# Altium PCB 模型主控V1.PcbDoc (part 1 of 2)
Units mil, origin at the board's own origin, x right, y up, seen from the top; angles counter-clockwise.
Board outline 3317.16 x 1183.54 mil, 4 copper layers (Top Layer, Mid-Layer 1, Mid-Layer 2, Bottom Layer); 121 components, 112 nets, 459 pads, 155 vias.
Unrouted connection lines stored in the file: 38.
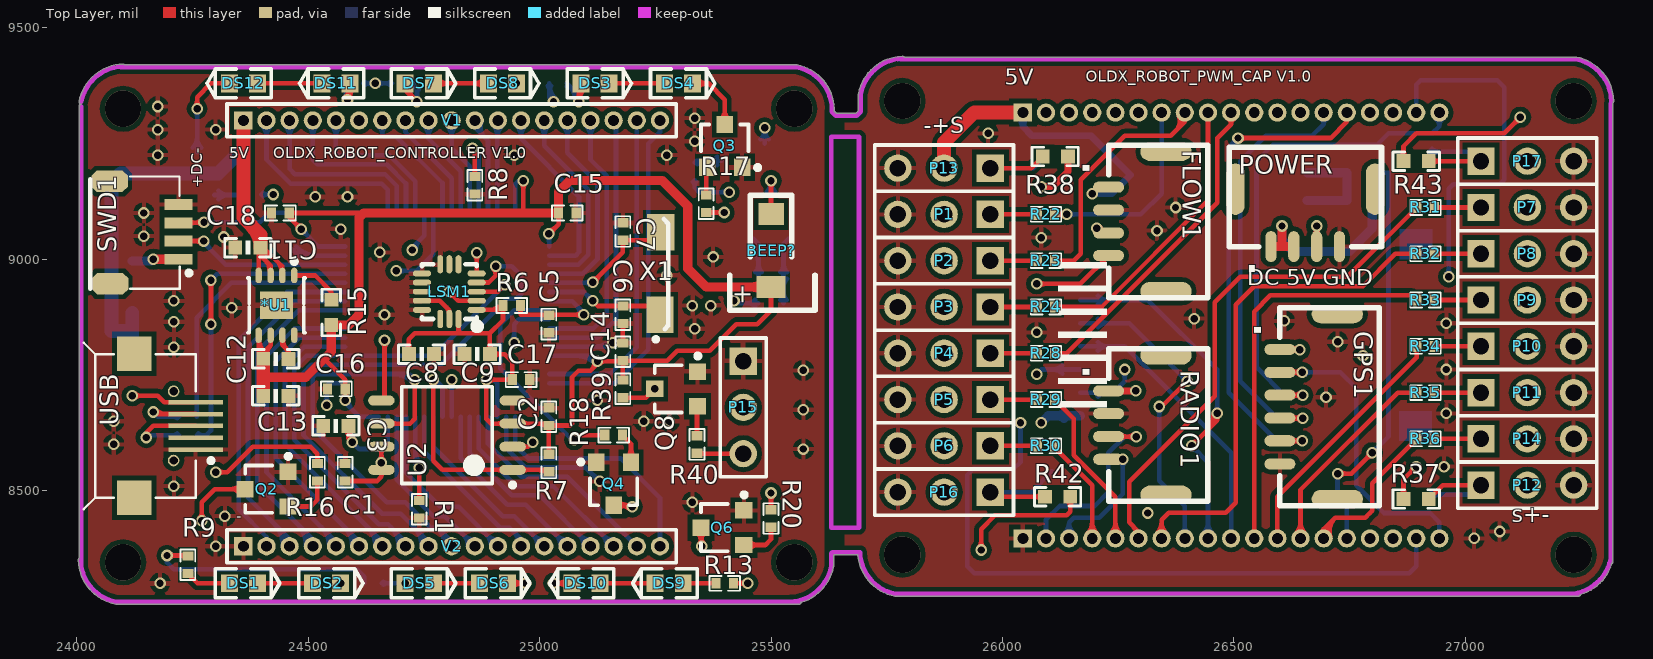
[diagram p0: Top Layer view]
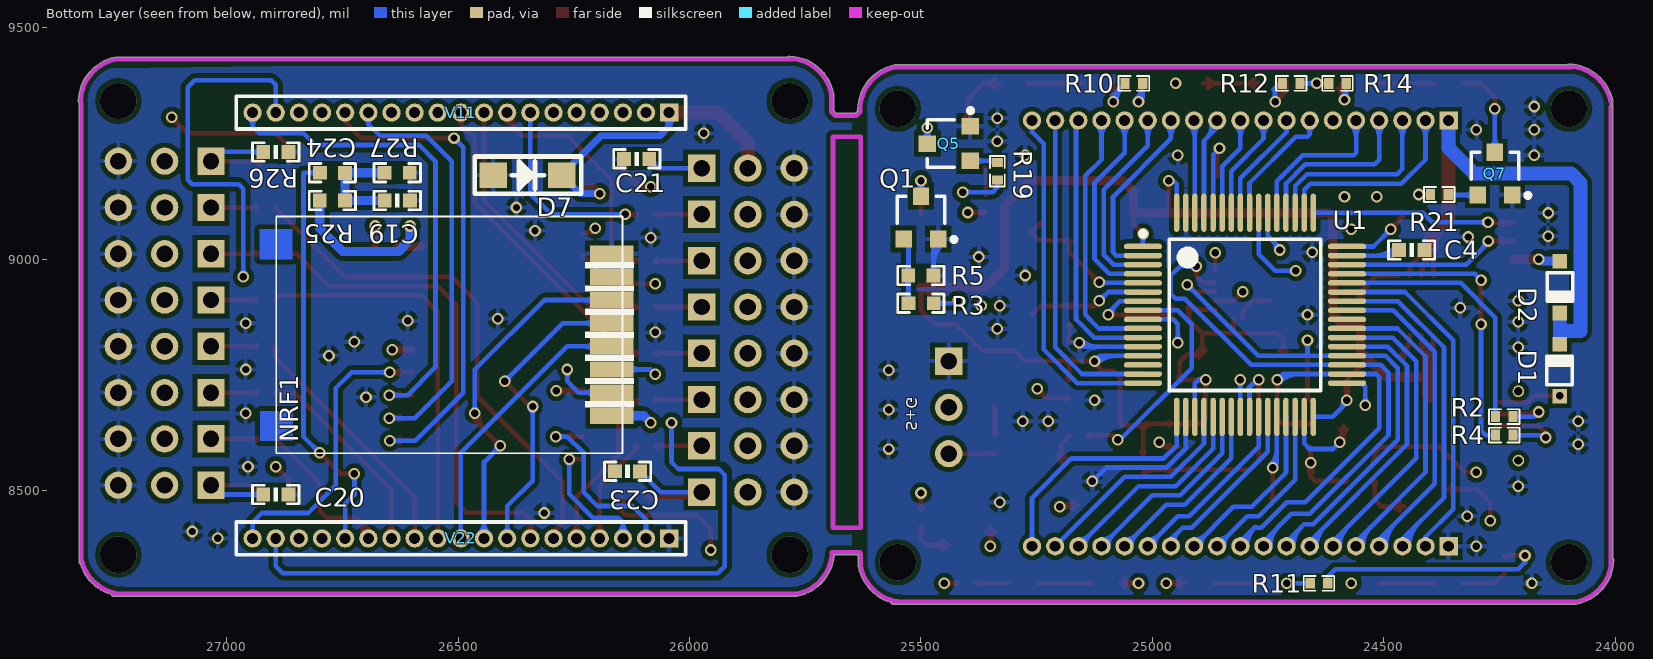
[diagram p1: Bottom Layer view, seen from below]
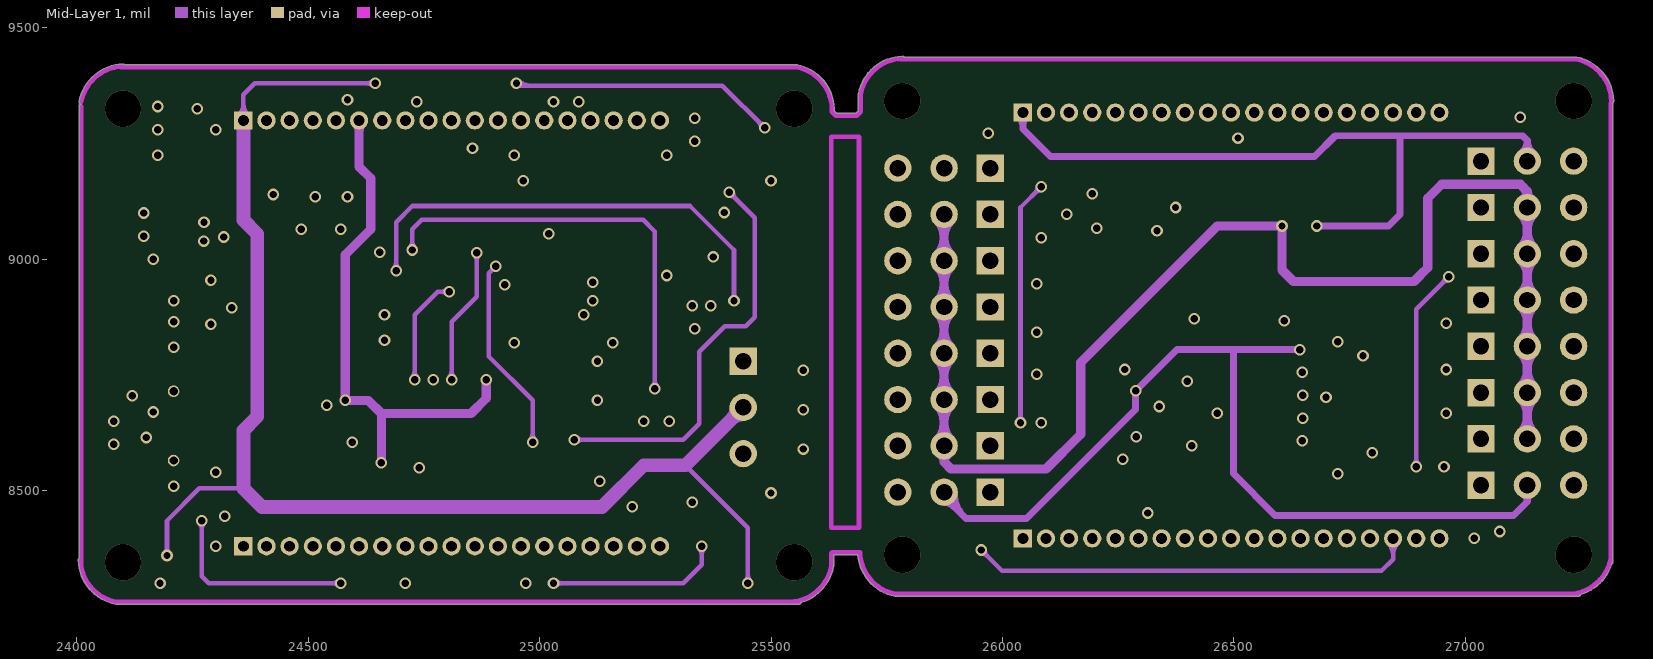
[diagram p2: Mid-Layer 1]
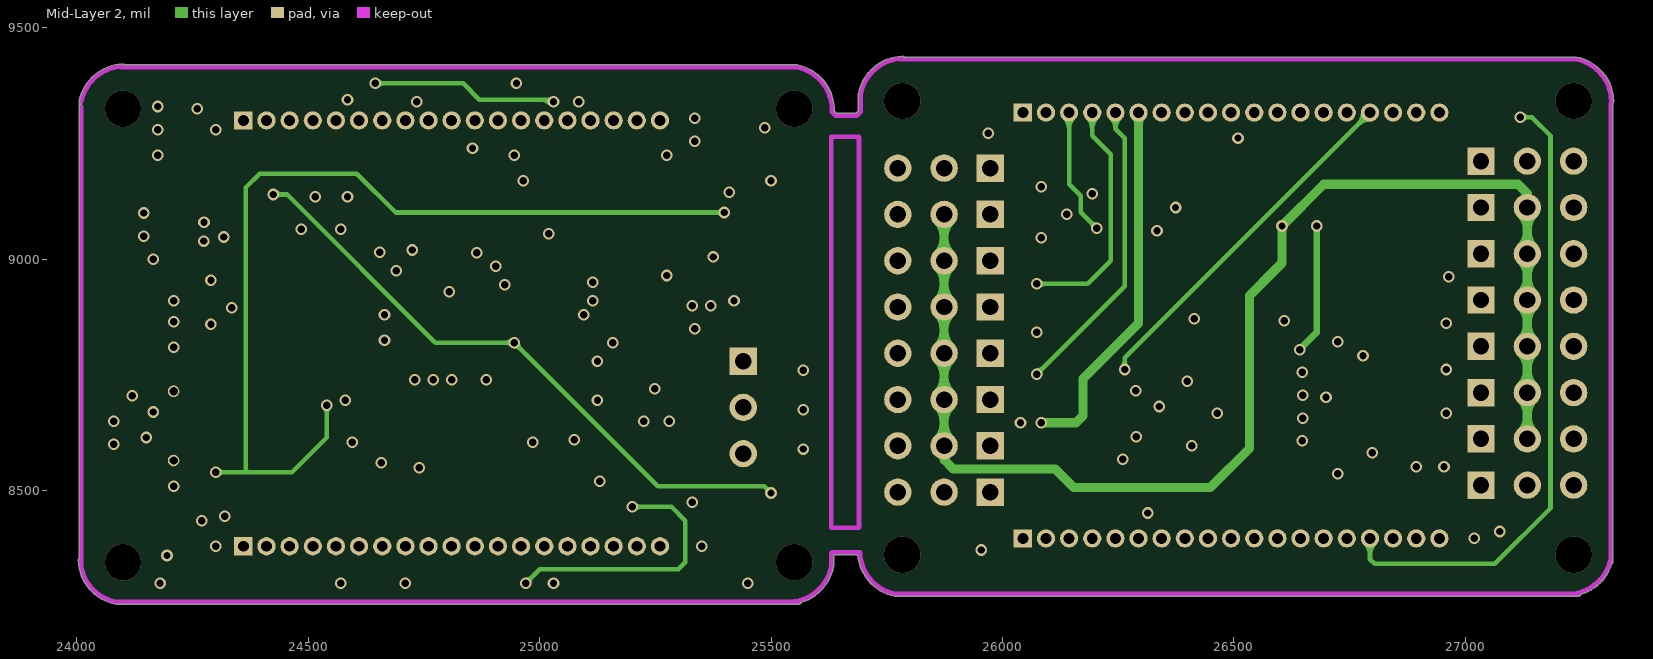
[diagram p3: Mid-Layer 2]
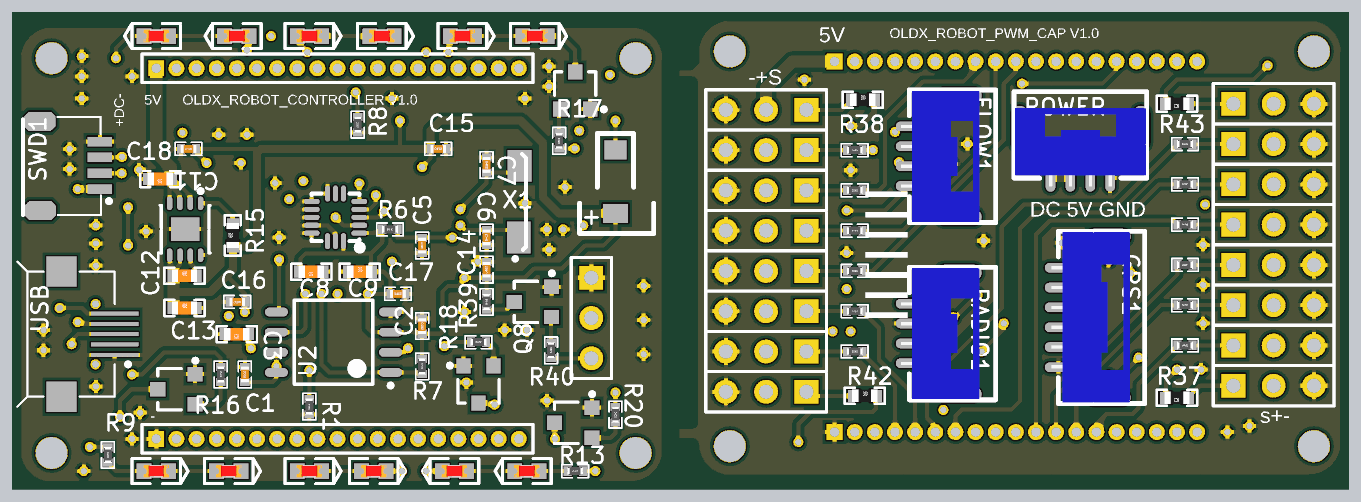
[diagram p5: 3D render of the assembled board from above, using the file's embedded part models]
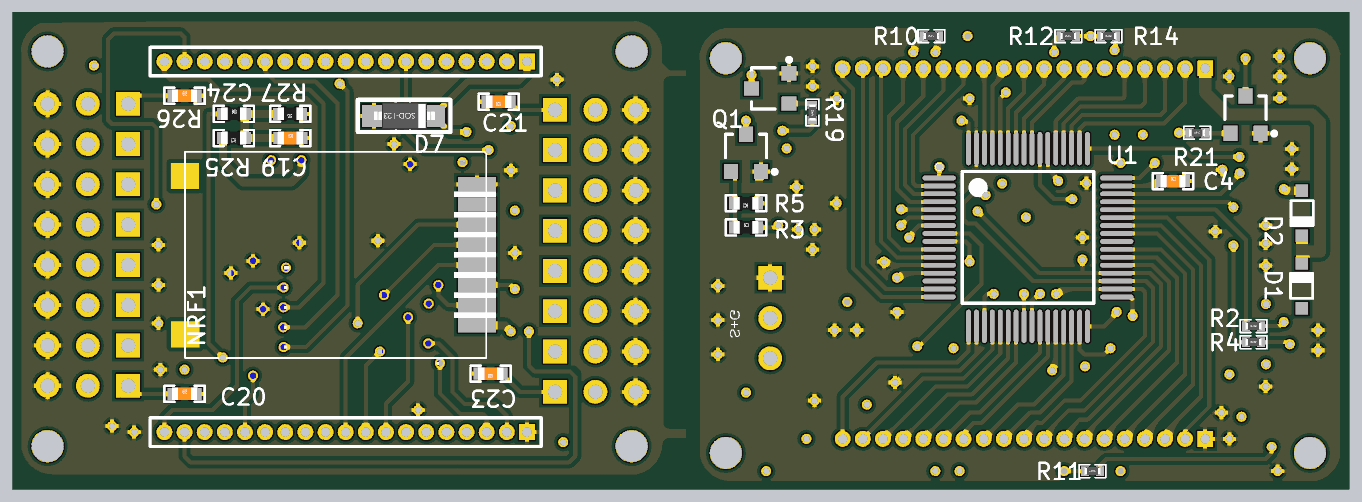
[diagram p6: 3D render of the assembled board from below, using the file's embedded part models]

## Layer stack, top to bottom
Top Layer: signal copper 1.4
Dielectric: core 12.6, FR-4, Dk 4.8
Mid-Layer 1: signal copper 1.4
Dielectric: prepreg 12.6, FR-4, Dk 4.8
Mid-Layer 2: signal copper 1.4
Dielectric: core 12.6, FR-4, Dk 4.8
Bottom Layer: signal copper 1.4

## Board outline
24084.07,8255.07 ccw(c24085,8260) 24085,8254.99 25560,8254.99 ccw(c25560,8260) 25564.87,8258.82 ccw(c25537.46,8354.11) 25634.88,8335.67 ccw(c25629.96,8336.61) 25634.97,8336.61 25634.97,8361.84 25687.55,8361.84 ccw(c25786.42,8369.4) 25767.98,8271.97 ccw(c25768.92,8276.9) 25768.92,8271.89 27243.92,8271.89 ccw(c27243.92,8276.9) 27248.79,8275.72 ccw(c27221.37,8371.01) 27316.35,8342.51 ccw(c27313.92,8346.9) 27318.93,8346.9 27318.93,9336.9 ccw(c27313.92,9336.9) 27318.78,9338.13 ccw(c27315.52,9341.94) 27320.54,9341.94 ccw(c27315.52,9341.94) 27320.54,9342.08 ccw(c27221.42,9339.4) 27239.85,9436.83 ccw(c27238.92,9431.9) 27238.92,9436.92 25787.55,9436.92 ccw(c25783.87,9433.51) 25783.74,9438.52 ccw(c25786.42,9339.4) 25688.99,9357.83 ccw(c25693.92,9356.9) 25688.9,9356.9 25688.9,9320.99 25682.92,9315.01 25642.08,9315.01 25636.62,9320.47 25636.62,9325.04 ccw(c25631.61,9325.04) 25636.62,9325.18 ccw(c25537.5,9322.5) 25555.93,9419.93 ccw(c25555,9415) 25555,9420.01 24103.64,9420.01 ccw(c24099.96,9416.61) 24099.82,9421.62 ccw(c24102.5,9322.5) 24005.07,9340.93 ccw(c24010,9340) 24009.61,9335 ccw(c24010,9330) 24004.99,9330 24004.99,8353.64 ccw(c24008.39,8349.96) 24003.38,8349.82 ccw(c24102.5,8352.5)

## Design rules (kind name [scope] priority, off if disabled: settings)
Clearance Clearance_1 [(InPolygon)] p1: gap=10
Clearance [All] p2: gap=6
PolygonConnect [All] p1: connectstyle=Relief reliefconductorwidth=10 reliefentries=4 polygonreliefangle="90 Angle"
RoutingVias [All] p1: holewidth=28 width=50 viastyle="Through Hole" minholewidth=16 minwidth=25 maxholewidth=28 maxwidth=50
SilkscreenOverComponentPads [All] p1: minsilkscreentomaskgap=10
SolderMaskExpansion [All] p1: expansion=4
Width [All] p1: maxlimit=40 minlimit=10 preferedwidth=10 minimp=50.000000 maximp=50.000000 favimp=50.000000
27 further rules are at their usual default settings.

## Components (designator, comment, footprint, x,y, rotation, side; value= is the part's Value field where it differs from the comment)
*U1 "AS1364-BTDT-33" TDFN-8 24470,8965 r90 top
BEEP? "BEEP" DET402 25500,8940 r90 top
C1 "0.1UF" "C 0402" 24580,8540 r90 top
C2 "1UF" "C 0402" 25020,8660 r270 top
C3 "2.2UF" C0603 24560,8640 r180 top
C4 "2.2UF" C0603 24440,9020 r180 bottom
C5 "10NF" "C 0402" 25020,8860 r90 top
C6 "20PF" "C 0402" 25180,8880 r90 top
C7 "20PF" "C 0402" 25180,9060 r270 top
C8 "0.1UF" C0603 24745,8795 r180 top
C9 "0.1UF" C0603 24865,8795 r0 top
C11 "4.7uf" C0603 24370,9025 r180 top
C12 "10nf" C0603 24430,8785 r0 top
C13 "4.7uf" C0603 24430,8705 r0 top
C14 "0.1UF" "C 0402" 25180,8800 r90 top
C15 "0.1UF" "C 0402" 25060,9100 r0 top
C16 "0.1UF" "C 0402" 24561,8720 r180 top
C17 "0.1UF" "C 0402" 24960,8740 r0 top
C18 "0.1UF" "C 0402" 24440,9100 r180 top
C19 "100uF" C0603 26631.42,9126.84 r180 bottom
C20 "NC" C0603 26893.92,8491.9 r180 bottom
C21 "NC" C0603 26113.92,9216.9 r0 bottom
C23 "NC" C0603 26133.92,8541.9 r0 bottom
C24 "NC" C0603 26893.92,9231.9 r180 bottom
D1 "BAT54WS" SOD-323 24120,8760 r270 bottom
D2 "BAT54WS" SOD-323 24120,8940 r90 bottom
D7 "IN4733 5.1V" 1n4148-SOD123 26413.92,9181.9 r180 bottom
DS1 "LED1" 0603_LED 24360,8300 r180 top
DS2 "LED1" 0603_LED 24540,8300 r180 top
DS3 "LED1" 0603_LED 25120,9380 r180 top
DS4 "LED1" 0603_LED 25300,9380 r180 top
DS5 "LED1" 0603_LED 24740,8300 r180 top
DS6 "LED1" 0603_LED 24900,8300 r180 top
DS7 "LED1" 0603_LED 24740,9380 r180 top
DS8 "LED1" 0603_LED 24920,9380 r180 top
DS9 "LED1" 0603_LED 25280,8300 r0 top
DS10 "LED1" 0603_LED 25100,8300 r0 top
DS11 "LED1" 0603_LED 24560,9380 r0 top
DS12 "LED1" 0603_LED 24360,9380 r0 top
FLOW1 "Header 4" JST_GH_V4 26443.92,9081.9 r270 top
GPS1 "Header 6" JST_GH_V6 26813.92,8681.9 r270 top
LSM1 "LSM6DS33" LSM6DS33 24805,8930 r180 top
NRF1 "Header 8" NRF 26193.92,8661.9 r0 bottom locked
P1 "Header 3" HDR1X3 25973.92,9096.9 r180 top
P2 "Header 3" HDR1X3 25973.92,8996.9 r180 top
P3 "Header 3" HDR1X3 25973.92,8896.9 r180 top
P4 "Header 3" HDR1X3 25973.92,8796.9 r180 top
P5 "Header 3" HDR1X3 25973.92,8696.9 r180 top
P6 "Header 3" HDR1X3 25973.92,8596.9 r180 top
P7 "Header 3" HDR1X3 27033.92,9111.9 r0 top
P8 "Header 3" HDR1X3 27033.92,9011.9 r0 top
P9 "Header 3" HDR1X3 27033.92,8911.9 r0 top
P10 "Header 3" HDR1X3 27033.92,8811.9 r0 top
P11 "Header 3" HDR1X3 27033.92,8711.9 r0 top
P12 "Header 3" HDR1X3 27033.92,8511.9 r0 top
P13 "Header 3" HDR1X3 25973.92,9196.9 r180 top
P14 "Header 3" HDR1X3 27033.92,8611.9 r0 top
P15 "Header 3" HDR1X3 25440,8780 r270 top
P16 "Header 3" HDR1X3 25973.92,8496.9 r180 top
P17 "Header 3" HDR1X3 27033.92,9211.9 r0 top
POWER "Header 4" JST_GH_V4 26653.92,9241.9 r0 top
Q1 "S8050" SOT-23R 25500,9085 r180 bottom
Q2 "S8050" SOT-23R 24415,8503.2 r90 top
Q3 "S8050" SOT-23R 25400,9240 r0 top
Q4 "S8050" SOT-23R 25160,8520 r180 top
Q5 "S8050" SOT-23R 25435,9250 r90 bottom
Q6 "S8050" SOT-23R 25400,8420 r90 top
Q7 "S8050" SOT-23R 24260,9180 r180 bottom
Q8 "S8050" SOT-23R 25300,8720 r90 top
R1 "10K" "R 0402" 24740,8460 r90 top
R2 "10R" "R 0402" 24240,8660 r180 bottom
R3 "1K" R0603 25500,8905 r180 bottom
R4 "10R" "R 0402" 24240,8620 r180 bottom
R5 "10K" R0603 25500,8965 r0 bottom
R6 "10K" "R 0402" 24940,8900 r180 top
R7 "10K" "R 0402" 25020,8560 r270 top
R8 "10K" "R 0402" 24860,9160 r90 top
R9 "100R" "R 0402" 24240,8340 r270 top
R10 "100R" "R 0402" 25040,9380 r0 bottom
R11 "100R" "R 0402" 24640,8300 r0 bottom
R12 "100R" "R 0402" 24700,9380 r0 bottom
R13 "100R" "R 0402" 25400,8300 r180 top
R14 "100R" "R 0402" 24600,9380 r180 bottom
R15 "100K" R0603 24550,8885 r90 top
R16 "1K" "R 0402" 24520,8540 r270 top
R17 "1K" "R 0402" 25360,9120 r90 top
R18 "1K" "R 0402" 25160,8620 r0 top
R19 "1K" "R 0402" 25335,9190 r90 bottom
R20 "1K" "R 0402" 25500,8440 r270 top
R21 "1K" "R 0402" 24380,9140 r180 bottom
R22 "560R" "R 0402" 26093.92,9096.9 r180 top
R23 "560R" "R 0402" 26093.92,8996.9 r180 top
R24 "560R" "R 0402" 26093.92,8896.9 r180 top
R25 "10K" R0603 26771.42,9126.84 r0 bottom
R26 "1K" R0603 26771.42,9186.84 r180 bottom
R27 "1K" R0603 26631.42,9186.84 r0 bottom
R28 "560R" "R 0402" 26093.92,8796.9 r180 top
R29 "560R" "R 0402" 26093.92,8696.9 r180 top
R30 "560R" "R 0402" 26093.92,8596.9 r180 top
R31 "560R" "R 0402" 26913.92,9111.9 r0 top
R32 "560R" "R 0402" 26913.92,9011.9 r0 top
R33 "560R" "R 0402" 26913.92,8911.9 r0 top
R34 "560R" "R 0402" 26913.92,8811.9 r0 top
R35 "560R" "R 0402" 26913.92,8711.9 r0 top
R36 "560R" "R 0402" 26913.92,8611.9 r0 top
R37 "1K" R0603 26893.92,8481.9 r180 top
R38 "1K" R0603 26113.92,9221.9 r0 top
R39 "10K" "R 0402" 25180,8720 r90 top
R40 "560R" "R 0402" 25340,8600 r270 top
R42 "1K" R0603 26118.92,8486.9 r0 top
R43 "1K" R0603 26893.92,9211.9 r180 top
RADIO1 "Header 4" JST_GH_V4 26443.92,8641.9 r270 top
SWD1 "Header 4" SH1.0-4P 24220,9000 r90 top
U1 "STM32F405RGT6" LQFP64_M 24800,8880 r180 bottom locked
U2 "W25X16" W25Q32FVZPIG 24800,8620 r180 top
USB "USB-B(Mini)" Micro_USB 24040,8640 r180 top
V1 "MHDR1X19" MHDR1X19 24360,9300 r0 top
V2 "MHDR1X19" MHDR1X19 24360,8380 r0 top
V11 "MHDR1X19" MHDR1X19 26043.92,9316.9 r0 bottom
V22 "MHDR1X19" MHDR1X19 26043.92,8396.9 r0 bottom
X1 "8MHZ" PXCL 25260,8880 r0 top

## Footprints (in the part's own frame and the unit in brackets; to place one, negate y for a bottom-side part, rotate by r counter-clockwise, add the part's x,y. Pads: shape width x height; smd on the part's side, far side on the other; paste and mask are expansions set on the pad)
1n4148-SOD123 [mm]
  rect 1.5x1.4 smd: 1(-0.254,0) 2(3.494,0)
  silkscreen extent -1.27,-1.02 4.57,1.02, body extent -0.25,-0.85 3.6,0.85, height 1.42
0603_LED [mm]
  rect 0.93x0.98 smd: 1(0.77,0) 2(-0.77,0)
  silkscreen extent -2,-0.79 1.53,0.79, body extent -0.8,-0.4 0.8,0.4, height 0.6
C0603 [mil]
  rect 30x30 smd: 1(-27,0) 2(27.5,-0.06)
  silkscreen extent -50,-20 50,20, body extent -31,-16 31,16, height 12
"C 0402" [mil]
  rect 20x23.62 smd: 1(-19,0) 2(19,0)
  silkscreen extent -33,-16 33,16, body extent -20,-10 20,10, height 20
DET402 [mm]
  rect 1.2x1.6 smd: 1(0,-0.002)
  rect 1.2x1.4 smd: 2(4,0)
  silkscreen extent -1.27,-2.41 5.03,2.26
HDR1X3 [mm] "Connector; Header; 3 Position"
  rect 1.5x1.5 hole 0.9: 1(0,0)
  round 1.5 hole 0.9: 2(2.54,0) 3(5.08,0)
  silkscreen extent -1.27,-1.27 6.35,1.27
JST_GH_V4 [mil]
  rrect100% 24x67 smd: 1(-73.82,-214.57) 2(-24.61,-214.57) 3(25,-214.57) 4(74,-214.57)
  rrect100% 40x111 smd: GND(-150.59,-90.55) GND(151,-90.55)
  silkscreen extent -164,-215 165,0, body extent -162,-235 163,-40, height 165
JST_GH_V6 [mil]
  rrect100% 24x67 smd: 1(-123.03,-214.57) 2(-73.82,-214.57) 3(-24.61,-214.57) 4(25,-214.57) 5(74,-214.57) 6(124,-214.57)
  rrect100% 40x111 smd: GND(-199.8,-90.55) GND(200,-90.55)
  silkscreen extent -214,-215 214,0, body extent -212,-232 212,-37, height 165
LQFP64_M [mm] "Thin QFP, 64-Leads, Body 10x10mm, Pitch 0.5mm, IPC Low Density"
  oval 2.1x0.3 smd: 1(-5.6,3.75) 2(-5.6,3.25) 3(-5.6,2.75) 4(-5.6,2.25) 5(-5.6,1.75) 6(-5.6,1.25) 7(-5.6,0.75) 8(-5.6,0.25) 9(-5.6,-0.25) 10(-5.6,-0.75) 11(-5.6,-1.25) 12(-5.6,-1.75) 13(-5.6,-2.25) 14(-5.6,-2.75) 15(-5.6,-3.25) 16(-5.6,-3.75) 33(5.6,-3.75) 34(5.6,-3.25) 35(5.6,-2.75) 36(5.6,-2.25) 37(5.6,-1.75) 38(5.6,-1.25) 39(5.6,-0.75) 40(5.6,-0.25) 41(5.6,0.25) 42(5.6,0.75) 43(5.6,1.25) 44(5.6,1.75) 45(5.6,2.25) 46(5.6,2.75) 47(5.6,3.25) 48(5.6,3.75)
  oval 0.3x2.1 smd: 17(-3.75,-5.6) 18(-3.25,-5.6) 19(-2.75,-5.6) 20(-2.25,-5.6) 21(-1.75,-5.6) 22(-1.25,-5.6) 23(-0.75,-5.6) 24(-0.25,-5.6) 25(0.25,-5.6) 26(0.75,-5.6) 27(1.25,-5.6) 28(1.75,-5.6) 29(2.25,-5.6) 30(2.75,-5.6) 31(3.25,-5.6) 32(3.75,-5.6) 49(3.75,5.6) 50(3.25,5.6) 51(2.75,5.6) 52(2.25,5.6) 53(1.75,5.6) 54(1.25,5.6) 55(0.75,5.6) 56(0.25,5.6) 57(-0.25,5.6) 58(-0.75,5.6) 59(-1.25,5.6) 60(-1.75,5.6) 61(-2.25,5.6) 62(-2.75,5.6) 63(-3.25,5.6) 64(-3.75,5.6)
  silkscreen extent -5.72,-4.15 4.15,4.57, body extent -5,-5 5,5, height 1.6
LSM6DS33 [mm]
  oval 1x0.32 smd: 1(-1.5,1) 2(-1.5,0.5) 3(-1.5,0) 4(-1.5,-0.5) 5(-1.5,-1) 9(1.5,-1) 10(1.5,-0.5) 11(1.5,0) 12(1.5,0.5) 13(1.5,1)
  oval 0.32x1 smd: 6(-0.5,-1.5) 7(0,-1.5) 8(0.5,-1.5) 14(0.5,1.5) 15(0,1.5) 16(-0.5,1.5)
  silkscreen extent -1.65,-1.5 1.5,2.03, body extent -1.5,-1.5 1.5,1.5, height 0.75
MHDR1X19 [mm] "Connector; Header; 19 Position"
  rect 1x1 hole 0.6: 1(0,0)
  round 1 hole 0.6: 2(1.27,0) 3(2.54,0) 4(3.81,0) 5(5.08,0) 6(6.35,0) 7(7.62,0) 8(8.89,0) 9(10.16,0) 10(11.43,0) 11(12.7,0) 12(13.97,0) 13(15.24,0) 14(16.51,0) 15(17.78,0) 16(19.05,0) 17(20.32,0) 18(21.59,0) 19(22.86,0)
  silkscreen extent -0.9,-0.9 23.76,0.9
Micro_USB [mm]
  rect 3x0.25 smd: 1(-5.508,-1.3) 2(-5.508,-0.65) 3(-5.508,0) 4(-5.508,0.65) 5(-5.508,1.3)
  round 0.635 hole 0.457 unplated: MH1(-4.3,1.9) MH2(-4.3,-1.9)
  rect 1.9x1.9 smd: ""(-2.15,3.95) ""(-2.15,-3.95)
  silkscreen extent -6.47,-4.57 0.63,4.57
NRF [mm]
  rect 2.4x0.9 smd: 1(-0.66,0) 2(-0.66,-1.27) 3(-0.66,-2.54) 4(-0.66,-3.81) 5(-0.66,-5.08) 6(-0.66,-6.35) 7(-0.66,-7.62) 8(-0.66,-8.89)
  Top Layer region: 16.84,1.397 18.644,1.397 18.644,-0.254 16.84,-0.254
  Top Layer region: 16.866,-8.585 18.669,-8.585 18.669,-10.236 16.866,-10.236
  silkscreen extent -1.87,-10.94 17.75,2.06
PXCL [mm]
  rect 1.5x2 smd: 1(0,0) 2(0.051,4.521)
  silkscreen extent -0.34,-1.45 0.46,5.26
R0603 [mil]
  rect 30x30 smd: 1(-27,0) 2(27.5,-0.06)
  silkscreen extent -50,-20 50,20, body extent -31,-16 31,16, height 12
"R 0402" [mil]
  rect 20x23.62 smd: 1(-19,0) 2(19,0)
  silkscreen extent -33,-16 33,16, body extent -20,-10 20,10, height 12
SH1.0-4P [mm]
  rect 0.6x1.55 smd: 1(0,0) 2(1,0) 3(2,0) 4(3,0)
  oct 1.2x2 smd: A(-1.346,3.759) B(4.279,3.785)
  silkscreen extent -1.63,-0.7 4.55,4.85
SOD-323 [mm]
  rect 0.8x0.8 smd: 1(1.422,0) 2(-1.422,0)
  silkscreen extent -0.79,-0.74 0.79,0.69
SOT-23R [mm]
  rect 0.9x0.95 smd: 1(0.95,-1.048) 2(-0.95,-1.048) 3(0,1.302)
  silkscreen extent -1.3,-1.19 1.93,1.3
TDFN-8 [mm] "QFN, 8-Leads, Body 3.0x3.0mm (max), Pitch 0.65mm, IPC Medium Density"
  oval 0.85x0.35 smd: 1(0,0) 2(0,0.65) 3(0,1.3) 4(0,1.956) 5(-3.277,1.956) 6(-3.277,1.295) 7(-3.277,0.65) 8(-3.277,0.001)
  rect 1.5x1.8 smd: 9(-1.636,0.975)
  silkscreen extent -3.14,-0.6 0.89,2.55, body extent -3.14,-0.52 -0.14,2.48, height 0.8
W25Q32FVZPIG [mm] "SOP, 8-Leads, Body 5.3x5.3mm (max), Pitch 1.27mm, IPC Medium Density"
  oval 1.45x0.55 smd: 1(-3.6,1.905) 2(-3.6,0.635) 3(-3.6,-0.635) 4(-3.6,-1.905) 5(3.6,-1.905) 6(3.6,-0.635) 7(3.6,0.635) 8(3.6,1.905)
  silkscreen extent -3.73,-2.65 2.47,2.85, body extent -2.64,-2.64 2.64,2.64, height 2.65

## Part data
*U1: library part AS1364-3.3V
C1 C2 C5 C8 C9 C11 C12 C13 C14 C15 C16 C17 C18 C19 C20 C21 C23 C24: library part CAP, "Capacitor"
C3 C4: library part CAP1, "胆电容"
C6 C7: library part C2, "0805"
D1 D2: library part BAT54, "单肖特基二极管"
D7: library part ZENER3, "Zener Diode"
DS1 DS2 DS3 DS4 DS5 DS6 DS7 DS8 DS9 DS10 DS11 DS12: library part LED2, "Typical RED, GREEN, YELLOW, AMBER GaAs LED"
FLOW1 POWER RADIO1 SWD1: "Header, 4-Pin"
GPS1: "Header, 6-Pin"
NRF1: "Header, 8-Pin"
P1 P2 P3 P4 P5 P6 P7 P8 P9 P10 P11 P12 P13 P14 P15 P16 P17: "Header, 3-Pin"
Q1 Q2 Q3 Q4 Q5 Q6 Q7 Q8: library part NPN, "8050/BCW846/BCW847"
R1 R2 R3 R4 R5 R6 R7 R8 R9 R10 R11 R12 R13 R14 R16 R17 R18 R19 R20 R21 R22 R23 R24 R25 R26 R27 R28 R29 R30 R31 R32 R33 R34 R35 R36 R39 R40: library part Res2, "0603"
R15 R37 R38 R42 R43: library part Res1, "Resistor"
U2: "W25X16;SST25VF016;MX25L1605"
USB: library part USB5
V1 V2 V11 V22: "Header, 19-Pin"
X1: library part XTAL, "Crystal Oscillator"

## Via types
v1: diameter 25, hole 16, Top Layer to Bottom Layer, 147 vias
v2: diameter 78.74, hole 78.74, Top Layer to Bottom Layer, 8 vias

## Nets (pads, with @x,y where several pads share a name; then routed paths per layer and width w, separated by ;. In a path a pad name is that pad's centre, name@x,y a point inside that pad or via, vN(x,y) a via of type N, cw(c..) or ccw(c..) an arc to the next point about the centre after c; other vN are vias at no path point)
3.3V: *U1.5 *U1.6 BEEP?.1 C1.1 C2.2 C8.2 C9.2 C12.1 C13.1 C14.1 C15.1 C16.1 C17.1 C18.1 LSM1.1 LSM1.16 NRF1.1 R6.2 R7.1 R15.1 R39.2 U1.1 U1.13 U1.19 U1.32 U1.48 U1.64 U2.3 U2.7 U2.8 V1.6 V11.6 | length 7987
  Top Layer w10: 24393,8809.14 ccw(c24427.14,8809.14) C12.1@24403,8785 ; *U1.5@24393,8833.28 ccw(c24451.28,8833.28) C12.1@24410.07,8792.07 ; *U1.5@24393,8836 24393,8795 C12.1@24403,8785 ; 24407.28,8802.28 ccw(c24419.46,8790.09) C12.1@24403,8785 ; C12.1@24412.55,8787.96 cw(c24437.36,8795.63) 24419,8814 ; *U1.6@24419,8836 24419,8814 ; C18.1@24462.54,9096.46 cw(c24471.07,9087.93) 24471.07,9100 cw(c24471.07,9112.07) C18.1@24462.54,9103.54 ; C18.1@24464,9098.19 ccw(c24493.43,9098.19) 24472.62,9077.38 ; v1@24477.5,9065 ccw(c24459.39,9065) 24472.2,9077.8 ccw(c24485,9090.61) v1@24485,9072.5 ; v1(24485,9065) 24459,9091 C18.1@24459,9100 24620,9100 ; 24535,8785 24580,8740 C16.1@24580,8720 v1(24580,8695) ; v1@24574.7,8700.3 ccw(c24561.89,8713.11) 24580,8713.11 ccw(c24598.11,8713.11) v1@24585.3,8700.3 ; C16.1@24576.46,8714.65 cw(c24567.93,8706.12) 24580,8706.12 cw(c24592.07,8706.12) C16.1@24583.54,8714.65 ; C16.1@24576.46,8725.35 ccw(c24567.93,8733.88) 24580,8733.88 ccw(c24592.07,8733.88) C16.1@24583.54,8725.35 ; C1.1@24580,8521 24649,8521 24658.27,8530.27 U2.8@24658.27,8545 v1(24658.27,8560) U2.7@24658.27,8595 ; C1.1@24585.35,8517.46 cw(c24593.88,8508.93) 24593.88,8521 cw(c24593.88,8533.07) C1.1@24585.35,8524.54 ; U2.8@24652.96,8554.7 cw(c24640.16,8541.89) 24658.27,8541.89 cw(c24676.37,8541.89) U2.8@24663.57,8554.7 ; v1@24652.96,8565.3 ccw(c24640.16,8578.11) 24658.27,8578.11 ccw(c24676.37,8578.11) v1@24663.57,8565.3 ; U2.8@24654.15,8540.88 cw(c24644.2,8530.93) 24658.27,8530.93 cw(c24672.33,8530.93) U2.8@24662.39,8540.88 ; U2.7@24654.15,8590.88 cw(c24644.2,8580.93) 24658.27,8580.93 cw(c24672.33,8580.93) U2.7@24662.39,8590.88 ; C8.2@24710.43,8802.14 ccw(c24693.36,8819.21) 24717.5,8819.21 ccw(c24741.64,8819.21) C8.2@24724.57,8802.14 ; C8.2@24717.5,8795.06 24717.5,8827.5 24730,8840 24830,8840 ; LSM1.16@24824.69,8870.94 24824.69,8845.32 24830,8840 ; LSM1.1@24864.06,8890.63 24869.37,8890.63 24911.63,8890.63 R6.2@24921,8900 ; v1@24879.7,8734.7 cw(c24866.89,8721.89) 24885,8721.89 cw(c24903.11,8721.89) 24890.3,8734.7 cw(c24903.11,8721.89) 24903.11,8740 cw(c24903.11,8758.11) v1@24890.3,8745.3 ; C9.2@24885.43,8802.01 ccw(c24868.36,8819.08) 24892.5,8819.08 ccw(c24916.64,8819.08) 24899.57,8802.01 ccw(c24916.64,8819.08) 24916.64,8794.94 ccw(c24916.64,8770.79) C9.2@24899.57,8787.86 ; 24890.68,8890.63 ccw(c24890.68,8928.51) R6.2@24917.46,8901.72 ; R6.2@24916.63,8895.63 R6.2@24921,8900 ; R6.2@24917.46,8894.65 cw(c24908.93,8886.12) 24921,8886.12 cw(c24933.07,8886.12) R6.2@24924.54,8894.65 ; U2.3@24919.9,8640.88 ccw(c24909.95,8630.93) 24909.95,8645 ccw(c24909.95,8659.07) U2.3@24919.9,8649.12 ; C17.1@24937.46,8736.46 ccw(c24928.93,8727.93) 24928.93,8740 ccw(c24928.93,8752.07) C17.1@24937.46,8743.54 ; C17.1@24937.46,8745.35 ccw(c24928.93,8753.88) 24941,8753.88 ccw(c24953.07,8753.88) C17.1@24944.54,8745.35 ; v1@24959.7,9164.7 cw(c24946.89,9151.89) 24965,9151.89 cw(c24983.11,9151.89) v1@24970.3,9164.7 ; U2.3@24963.57,8640.88 cw(c24973.52,8630.93) 24973.52,8645 cw(c24973.52,8659.07) U2.3@24963.57,8649.12 ; 24965,9100 v1(24965,9170) ; 24996.46,8645 cw(c24996.46,8619.27) C2.2@25014.65,8637.46 ; R7.1@25016.46,8582.54 ccw(c25007.93,8591.07) 25020,8591.07 ccw(c25032.07,8591.07) R7.1@25023.54,8582.54 ; C2.2@25016.46,8637.46 cw(c25007.93,8628.93) 25020,8628.93 cw(c25032.07,8628.93) C2.2@25023.54,8637.46 ; R7.1@25020,8579 C2.2@25020,8641 ; v1(25020,9055) 25041,9076 C15.1@25041,9100 ; v1@25020,9062.5 ccw(c25020,9080.61) 25032.8,9067.8 ccw(c25045.61,9055) v1@25027.5,9055 ; C2.2@25025.35,8637.46 cw(c25033.88,8628.93) 25033.88,8641 cw(c25033.88,8653.07) C2.2@25025.35,8644.54 ; C15.1@25037.46,9094.65 cw(c25028.93,9086.12) 25041,9086.12 cw(c25053.07,9086.12) C15.1@25044.54,9094.65 ; 25113,8762 ccw(c25100.6,8774.4) v1@25117.69,8778.32 ; v1@25130.3,8774.7 cw(c25143.11,8761.89) 25143.11,8780 cw(c25143.11,8798.11) v1@25130.3,8785.3 ; 25163.7,8780 ccw(c25163.7,8795.49) C14.1@25174.65,8784.54 ; R39.2@25176.46,8742.54 ccw(c25167.93,8751.07) 25180,8751.07 ccw(c25192.07,8751.07) R39.2@25183.54,8742.54 ; C14.1@25176.46,8777.46 cw(c25167.93,8768.93) 25180,8768.93 cw(c25192.07,8768.93) C14.1@25183.54,8777.46 ; C14.1@25179,8780 v1(25125,8780) 25125,8774 25110,8759 25084,8759 25070,8745 25070,8645 25066,8641 C2.2@25020,8641 ; R39.2@25180,8739 C14.1@25180,8781 25276,8781 25297.5,8802.5 25367.5,8802.5 25425,8860 25470,8860 25500.06,8890.06 BEEP?.1@25500.06,8940 ; C14.1@25185.35,8777.46 cw(c25193.88,8768.93) 25193.88,8781 cw(c25193.88,8793.07) C14.1@25185.35,8784.54 ; C12.1@24403,8785 24403,8798 24419,8814 ; U2.8@24654.15,8549.12 ccw(c24644.2,8559.07) v1@24658.27,8559.07 ; U2.8@24654.15,8549.12 ccw(c24644.2,8559.07) v1@24658.27,8559.07 ; U2.8@24654.15,8549.12 ccw(c24644.2,8559.07) v1@24658.27,8559.07 ; v1@24658.27,8559.07 ccw(c24672.33,8559.07) U2.8@24662.39,8549.12 ; v1@24658.27,8559.07 ccw(c24672.33,8559.07) U2.8@24662.39,8549.12 ; v1@24658.27,8559.07 ccw(c24672.33,8559.07) U2.8@24662.39,8549.12 ; 24830,8840 24892.5,8840 ; 24892.5,8840 C9.2@24892.5,8794.94 24925.06,8794.94 24941,8779 C17.1@24941,8740 v1(24885,8740) 24885,8655 24895,8645 U2.3@24941.73,8645 25016,8645 C2.2@25020,8641 ; 24892.5,8840 24921,8868.5 R6.2@24921,8900